# KiCad board cyclic.kicad_pcb (continued)
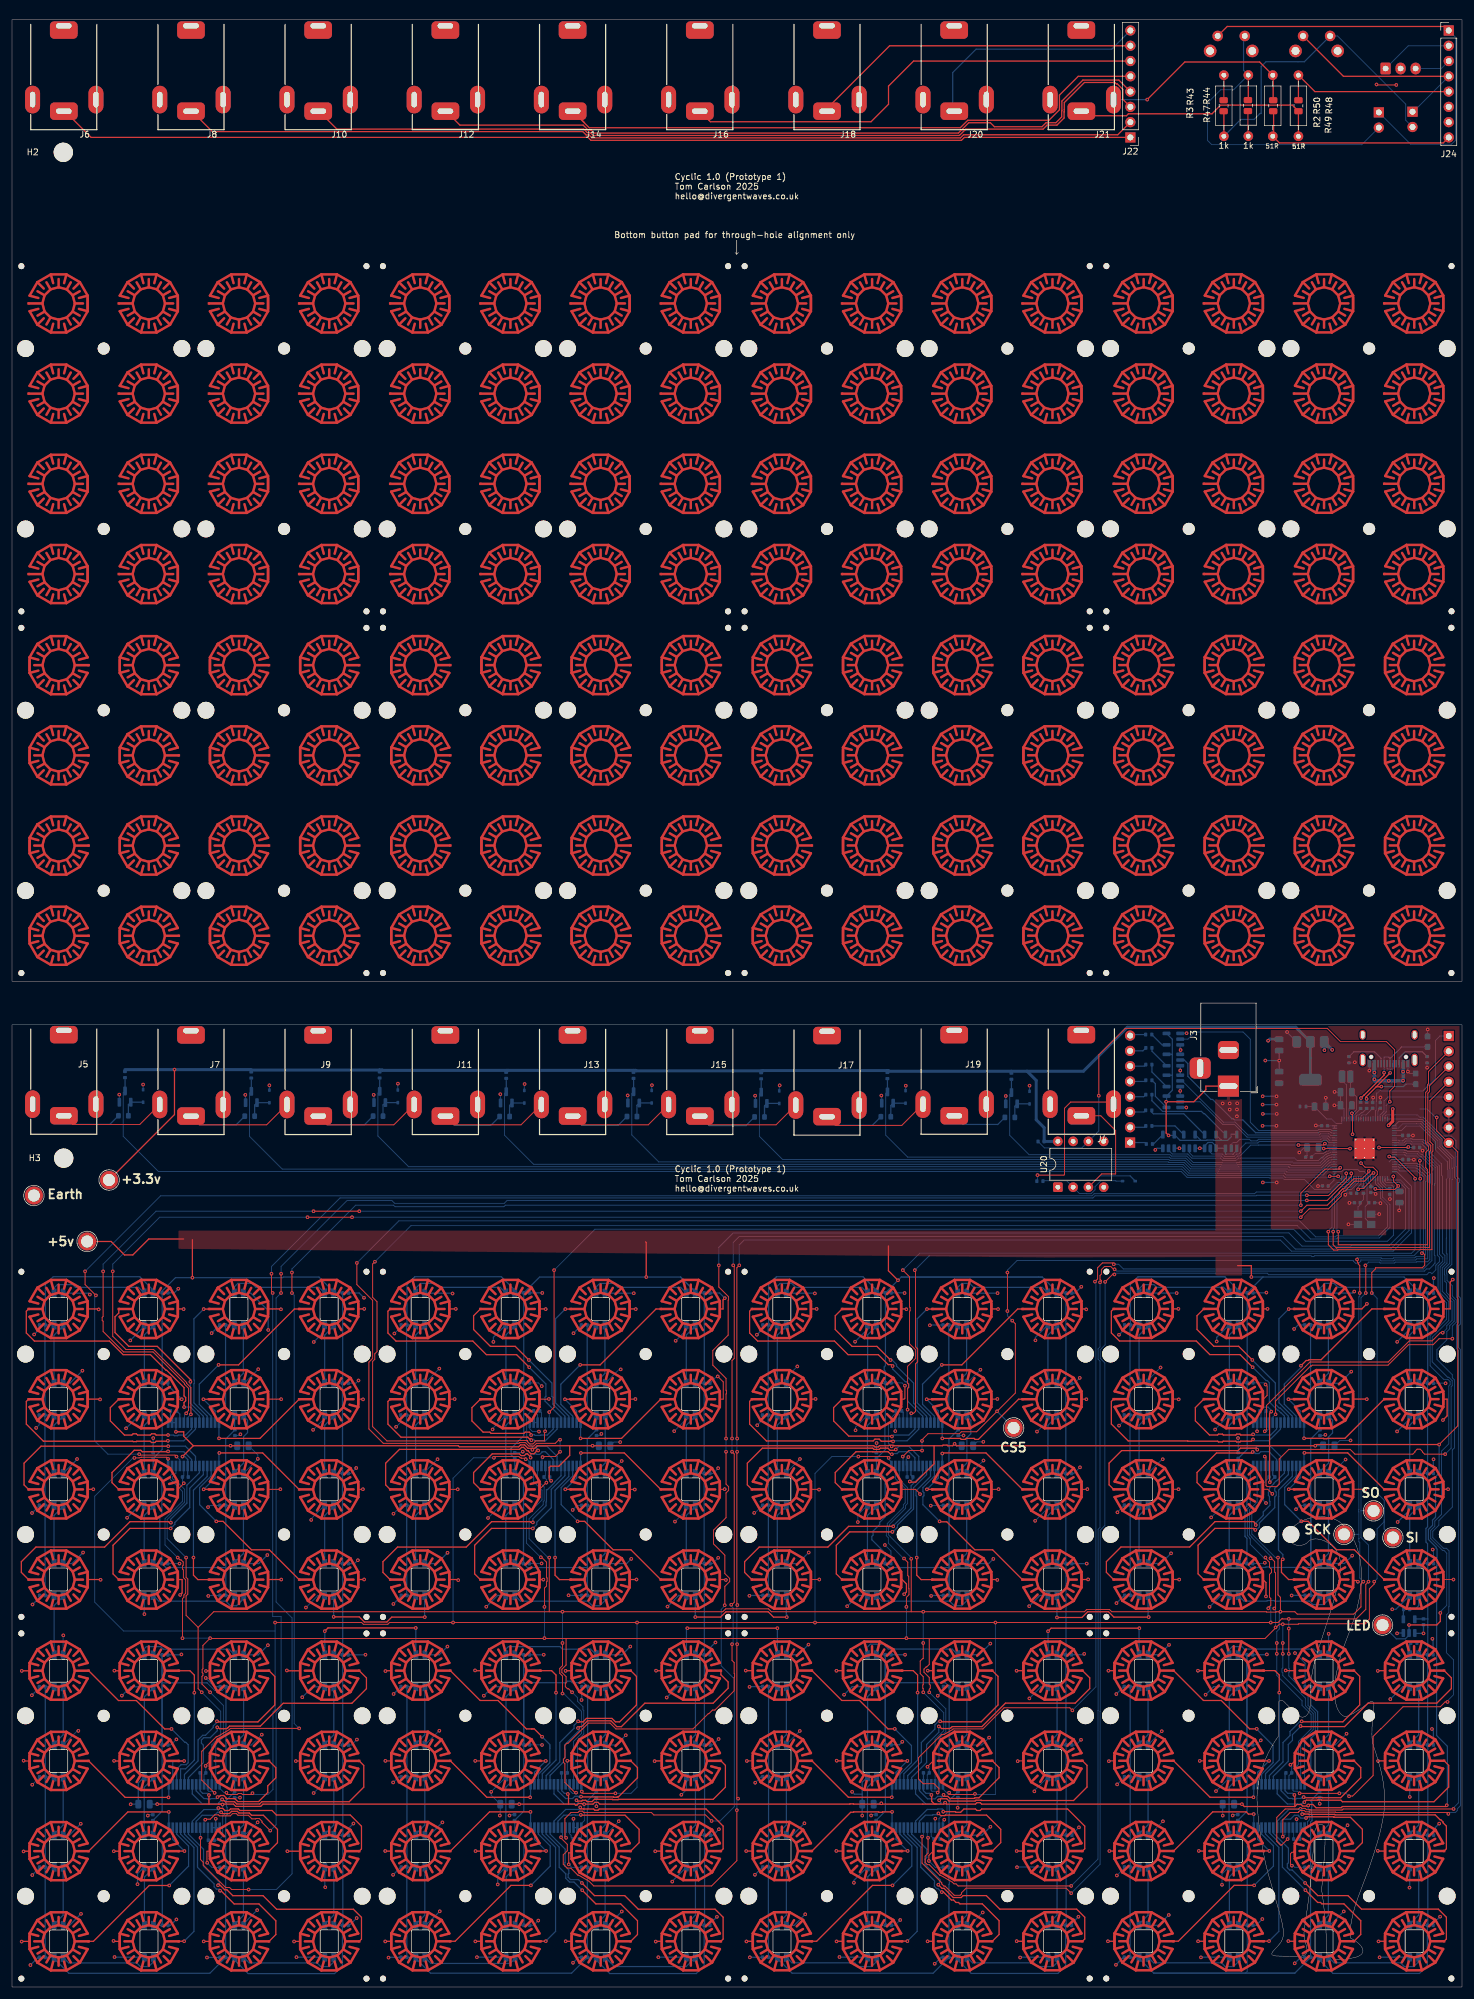
[diagram p0: board, top side]
## Routing (per net, layer and track width the routed paths; a pad name or vN(x,y) marks a point on that pad's centre or on a via; arc(x,y) is an arc through that point) (continued)
/button-grid/1x1: length 29.5
  Top w0.2: SW3.2 17.71,47.63 20.67,47.63 25.4,42.9 v1(26.52,42.9)
  Bottom w0.2: v1(26.52,42.9) 28.75,40.68 28.91,40.68 29.3,40.29 29.3,37.28 28.98,36.97 28.12,36.97 27.38,36.23 U4.3
/button-grid/1x2: length 18
  Top w0.2: v1(26.02,31.53) 18.81,31.53 SW3.10
  Bottom w0.2: U4.1 26.08,31.59 v1(26.02,31.53)
/button-grid/1x3: length 18.6
  Top w0.2: v1(26.07,29.1) 19.26,29.1 SW3.18
  Bottom w0.2: U4.28 26.08,29.09 v1(26.07,29.1)
/button-grid/1x4: length 29
  Top w0.2: v1(26.15,16.88) 22.82,16.88 13.53,7.59 SW3.26
  Bottom w0.2: v1(26.15,16.88) 29.36,20.09 29.36,23.44 27.38,25.41 U4.26
/button-grid/2x1: length 22.5
  Top w0.2: SW3.4 29.59,52.59 30.32,51.85 v1(30.32,48.93)
  Bottom w0.2: U4.4 28.03,36.28 28.88,36.28 30.32,37.73 v1(30.32,48.93)
/button-grid/2x2: length 6.7
  Top w0.2: v1(28.62,37.58) 27.76,37.58
  Bottom w0.2: U4.2 26.73,37.58 28.62,37.58 v1(28.62,37.58)
/button-grid/2x3: length 5.6
  Top w0.2: v1(28.67,22.6) 27.76,22.6
  Bottom w0.2: v1(28.67,22.6) 26.73,24.54 U4.27
/button-grid/2x4: length 21.3
  Top w0.2: v1(28.62,7.6) 27.76,7.6
  Bottom w0.2: U4.25 28.03,25.41 30.25,23.2 30.25,9.23 v1(28.62,7.6)
/button-grid/3x1: length 29.9
  Top w0.2: SW3.6 43.7,51.64 43.7,46.88 40.9,44.08 34.37,44.08 34.26,44.19 v1(34.08,44.19)
  Bottom w0.2: U4.5 28.68,35.33 30.95,37.6 30.95,41.09 31.71,41.85 32.17,41.85 33.47,43.16 33.47,43.4 34.08,44.01 v1(34.08,44.19)
/button-grid/3x2: length 21.2
  Top w0.2: v1(34.18,31.57) 34.21,31.61 34.27,31.61 34.36,31.7 34.52,31.7 34.67,31.84 35.21,31.84 35.59,31.46 35.59,31.33 37.05,31.33 37.55,30.83 41.01,30.83 42.53,32.34 42.53,33.43 43.87,34.78 43.87,36.46 SW3.14
  Bottom w0.2: U4.8 30.63,32.61 31.92,31.33 32.41,31.33 32.48,31.26 33.02,31.26 33.09,31.33 34.07,31.33 34.18,31.43 v1(34.18,31.57)
/button-grid/3x3: length 20.9
  Top w0.2: v1(34.77,29.05) 34.99,28.83 36.14,28.83 36.51,29.2 37.47,29.2 37.74,28.93 39.45,28.93 39.83,28.55 41.8,28.55 44.15,26.2 44.15,23.99 SW3.22
  Bottom w0.2: v1(34.77,29.05) 34.18,29.05 33.68,28.55 31.62,28.55 30.63,27.56 U4.21
/button-grid/3x4: length 28.4
  Top w0.2: SW3.30 43.87,8.71 43.87,11 41.07,13.8 36.95,13.8 34.74,16.01 v1(34.6,16.01)
  Bottom w0.2: v1(34.6,16.01) 34.6,16.15 34.48,16.27 33.99,16.27 33.61,16.65 33.61,17.14 30.85,19.9 30.85,23.25 28.68,25.41 U4.24
/button-grid/4x1: length 43.5
  Top w0.2: SW3.8 58.95,51.39 58.95,49.6 56.52,47.18 45.1,47.18 41.3,43.38 36.18,43.38 35.87,43.07 35.67,42.95 34.5,42.95 34.28,43.18 v1(34.12,43.18)
  Bottom w0.2: U4.6 29.33,34.81 31.82,37.3 31.82,40.21 31.5,40.53 31.5,41.07 31.88,41.45 32.97,41.45 34.12,42.61 v1(34.12,43.18)
/button-grid/4x2: length 37.5
  Top w0.2: v1(34.94,31.19) 34.94,31.08 34.95,31.06 34.95,31 34.96,31 35.28,31 35.47,30.8 37,30.8 37.38,30.43 41.18,30.43 41.56,30.8 56.07,30.8 58.5,33.23 58.5,36.84 SW3.16
  Bottom w0.2: U4.7 29.98,32.09 31.67,30.4 34.26,30.4 34.36,30.51 34.36,30.62 34.74,31 34.85,31 34.87,31.02 34.9,31.02 34.94,31.05 v1(34.94,31.19)
/button-grid/4x3: length 36.2
  Top w0.2: SW3.24 58.12,22.96 58.12,26.73 56.25,28.6 43.98,28.6 43.23,29.35 37.89,29.35 37.63,29.61 36.35,29.61 36.09,29.35 35.39,29.35 35.04,29.7 34.39,29.7 v1(34.32,29.77)
  Bottom w0.2: U4.22 29.98,27.56 31.92,29.5 34.26,29.5 34.31,29.45 34.32,29.45 34.39,29.52 34.39,29.64 34.35,29.68 34.35,29.74 v1(34.32,29.77)
/button-grid/4x4: length 42.2
  Top w0.2: SW3.32 58.12,7.96 58.12,11.58 56.78,12.92 44,12.92 41.75,15.18 36.72,15.18 35.73,16.17 35.36,16.17 34.44,17.09 v1(34.26,16.92)
  Bottom w0.2: v1(34.26,16.92) 34.51,17.17 34.51,17.39 31.85,20.05 31.85,22.9 29.33,25.41 U4.23
/button-grid/LED_DIN: length 10.3
  Bottom w0.2: 8.48,64.91 7,63.43 7,55.23
/button-grid/LED_DOUT: length 23.8
  Top w0.2: v1(67.15,59.7) 52.55,59.7 v1(52.02,59.17)
  Bottom w0.2: 67.15,55.24 67.15,59.7 v1(67.15,59.7) ; 52.02,55.22 v1(52.02,59.17)
/CC1: length 7
  Bottom w0.2: J1.A5 227.7,154.41 226.6,155.51 223.15,155.51 R1.1
/CC2: length 6.4
  Bottom w0.2: R4.1 234.55,155.51 231.7,155.51 230.7,154.51 J1.B5
/clock-and-trig1/TIP: length 28.2
  Top w0.15: J7.T 31.22,143.37 42.35,143.37 J9.TN
  Bottom w0.2: 29.69,144.81 31.14,143.36 37.26,143.36 R22.2
/clock-and-trig2/TIP: length 28.2
  Top w0.15: J9.T 52.38,143.37 63.5,143.37 J11.TN
  Bottom w0.2: R25.2 58.61,143.37 52.49,143.37 51.04,144.82
/clock-and-trig3/TIP: length 28.2
  Top w0.15: J11.T 73.53,143.37 84.66,143.37 J13.TN
  Bottom w0.2: R28.2 79.66,143.31 73.54,143.31 72.09,144.75
/clock-and-trig4/TIP: length 28.2
  Top w0.15: J15.TN 105.82,143.37 94.69,143.37 J13.T
  Bottom w0.2: R31.2 100.84,143.31 94.72,143.31 93.27,144.76
/clock-and-trig5/TIP: length 28.1
  Top w0.15: J17.TN 127.07,143.37 115.85,143.37 J15.T
  Bottom w0.2: R34.2 122.06,143.23 115.94,143.23 114.49,144.68
/clock-and-trig6/TIP: length 28.2
  Top w0.15: J17.T 137,143.27 147.98,143.27 J19.TN
  Bottom w0.2: 135.49,144.72 136.94,143.27 143.06,143.27 R37.2
/clock-and-trig7/TIP: length 9.5
  Bottom w0.2: R40.2 163.95,143.42 158.16,143.42 J19.T
/clock-and-trig/TIP: length 28.1
  Top w0.15: J5.T 10.06,143.42 21.24,143.42 J7.TN
  Bottom w0.2: R19.2 16.26,143.43 10.14,143.43 8.69,144.88
/EXT_CLOCK_0: length 217.3
  Bottom w0.15: U2.39 221.55,133.98 221.34,133.77 220.39,133.77 219.22,132.6 216.64,132.6 214.95,134.29 211.55,134.29 211.3,134.54 209.11,134.54 209.03,134.62 204.76,134.62 204.73,134.59 200.23,134.59 200.2,134.62 195.43,134.62 194.45,135.6 24.35,135.6 18.5,141.45 18.5,148.7 Q1.3
  Bottom w0.2: Q1.3 18.8,150.88
/EXT_CLOCK_1: length 194.2
  Top w0.15: v1(219.15,134.8) v1(220.55,134.8)
  Bottom w0.15: v1(219.15,134.8) 218.99,134.64 211.71,134.64 211.46,134.89 209.26,134.89 209.18,134.97 204.62,134.97 204.58,134.94 200.38,134.94 200.35,134.97 195.58,134.97 194.55,136 44.95,136 39.5,141.45 39.5,148.63 Q2.3 ; v1(220.55,134.8) 220.9,134.45 U2.40
  Bottom w0.2: Q2.3 39.8,150.81
/EXT_CLOCK_2: length 171.9
  Bottom w0.15: Q3.3 60.85,148.64 60.85,141.5 65.95,136.4 194.65,136.4 195.73,135.33 200.49,135.33 200.53,135.29 204.43,135.29 204.47,135.33 211.62,135.33 211.91,135.04 218.08,135.04 219.35,136.32 219.43,136.32 219.52,136.4 U2.43
  Bottom w0.2: Q3.3 61.15,150.82
/EXT_CLOCK_3: length 150.5
  Bottom w0.15: Q4.3 81.9,148.57 81.9,141.65 86.75,136.8 192.19,136.8 192.24,136.75 194.8,136.75 195.87,135.68 200.64,135.68 200.67,135.65 204.29,135.65 204.32,135.68 211.87,135.68 212.06,135.49 218.02,135.49 219.2,136.67 219.29,136.67 219.42,136.8 U2.44
  Bottom w0.2: Q4.3 82.2,150.76
/EXT_CLOCK_4: length 129.1
  Bottom w0.15: Q5.3 103.08,148.58 103.08,141.67 107.55,137.2 192.29,137.2 192.38,137.11 194.94,137.11 196.02,136.03 200.78,136.03 200.82,136 204.14,136 204.18,136.03 212.12,136.03 212.31,135.84 217.87,135.84 219.05,137.02 219.14,137.02 219.32,137.2 U2.45
  Bottom w0.2: Q5.3 103.38,150.76
/EXT_CLOCK_5: length 107.8
  Bottom w0.15: Q6.3 124.3,148.5 124.3,141.45 128.15,137.6 192.39,137.6 192.53,137.46 195.09,137.46 196.16,136.39 200.93,136.39 200.97,136.35 203.99,136.35 204.03,136.39 212.36,136.39 212.52,136.23 217.75,136.23 218.9,137.38 218.99,137.38 219.17,137.55 219.49,137.55 219.53,137.6 U2.46
  Bottom w0.2: Q6.3 124.6,150.69
/EXT_CLOCK_6: length 86.6
  Bottom w0.15: U2.47 219.43,138 219.34,137.91 219.03,137.91 218.85,137.73 218.76,137.73 218.34,137.32 217.63,136.6 212.75,136.6 212.61,136.74 203.88,136.74 203.85,136.7 201.11,136.7 201.08,136.74 196.31,136.74 195.24,137.81 192.68,137.81 192.49,138 148.95,138 145.3,141.65 145.3,148.54 Q7.3
  Bottom w0.2: Q7.3 145.6,150.72
/EXT_CLOCK_7: length 65.8
  Bottom w0.15: U2.48 219.33,138.4 219.19,138.26 218.88,138.26 218.7,138.08 218.61,138.08 218.2,137.67 218.2,137.67 217.53,137 213.15,137 212.95,137.2 204.23,137.2 204.12,137.09 203.74,137.09 203.7,137.06 201.26,137.06 201.22,137.09 196.46,137.09 195.38,138.17 192.82,138.17 192.59,138.4 169.15,138.4 165.92,141.63 165.92,148.43 Q8.3
  Bottom w0.2: Q8.3 166.22,150.61
/EXT_TRIG_0: length 29.7
  Bottom w0.15: U12.2 192.35,139.14 192.97,138.52 195.53,138.52 196.24,137.81 201,137.81 201.4,137.41 203.56,137.41 203.96,137.81 204.34,137.81 204.35,137.82 213.17,137.82 213.25,137.9 213.74,137.41 217.28,137.41 217.81,137.94 217.82,137.94 217.9,137.87 218.05,138.02 218.05,138.02 218.46,138.43 218.56,138.43 218.73,138.61 219.05,138.61 219.23,138.8 U2.49
/EXT_TRIG_0_BOT: length 2.8
  Bottom w0.2: J23.1 188.41,140.42 R20.2
/EXT_TRIG_0_TOP: length 179.8
  Top w0.2: J22.1 158.39,307.56 157.9,307.08 96.28,307.08 95.8,307.56 95.32,307.56 95.32,307.56 13.15,307.56 8.55,312.16
/EXT_TRIG_1: length 26.5
  Top w0.15: v1(213.95,140) 218.15,140 218.34,140.19 v1(218.34,140.24)
  Bottom w0.15: U2.52 218.55,140 218.38,140.17 218.38,140.21 v1(218.34,140.24) ; v1(213.95,140) 207.35,140 207.34,139.99 206.01,139.99 204.19,138.17 203.81,138.17 203.41,137.76 201.55,137.76 201.15,138.17 196.38,138.17 195.82,138.73 U13.2
/EXT_TRIG_1_BOT: length 2.7
  Bottom w0.2: R23.2 188.34,142.96 J23.2
/EXT_TRIG_1_TOP: length 159.3
  Top w0.2: 29.68,312.16 33.31,308.53 94.92,308.53 95.49,307.96 95.97,307.96 96.45,307.48 157.74,307.48 158.26,308 183.9,308 J22.2
/EXT_TRIG_2: length 23.3
  Bottom w0.15: U2.53 219.03,140.4 218.61,140.82 218.09,140.82 217.88,140.6 207.45,140.6 207.19,140.34 205.19,140.34 204.29,139.44 204.29,138.77 204.05,138.52 203.67,138.52 203.26,138.12 201.7,138.12 201.29,138.52 199.57,138.52 199.29,138.8 U14.2
/EXT_TRIG_2_BOT: length 2.7
  Bottom w0.2: J23.3 188.26,145.5 R26.2
/EXT_TRIG_2_TOP: length 144.7
  Top w0.2: 50.81,312.16 54.03,308.93 95.09,308.93 95.66,308.36 96.14,308.36 96.62,307.88 157.57,307.88 158.62,308.93 171.47,308.93 172.14,309.6 173.78,309.6 174.98,310.8 174.98,311.79 175.01,311.82 175.01,313.35 178.36,316.69 183.42,316.69 183.66,316.45 183.83,316.45 184.74,315.54 184.74,313.9 J22.3
/EXT_TRIG_3: length 18.7
  Bottom w0.15: U2.54 219.13,140.8 218.75,141.17 217.95,141.17 217.73,140.96 207.31,140.96 207.04,140.69 206.06,140.69 205.79,140.96 204.21,140.96 203.65,140.4 203.04,140.4 202.76,140.12 U15.2
/EXT_TRIG_3_BOT: length 2.7
  Bottom w0.2: J23.4 188.22,148.04 R29.2
/EXT_TRIG_3_TOP: length 122.2
  Top w0.2: J22.4 184.08,317.1 178.11,317.1 174.61,313.6 174.61,311.99 174.57,311.96 174.57,310.96 173.61,310 171.97,310 171.3,309.34 163.38,309.34 162.72,310 159.12,310 157.4,308.29 96.78,308.29 96.3,308.77 95.82,308.77 94.99,309.6 74.5,309.6 71.94,312.16
/EXT_TRIG_4: length 28.4
  Bottom w0.15: U16.2 197.58,147.2 201.34,143.45 203.28,143.45 205.41,141.31 217.59,141.31 217.8,141.53 218.9,141.53 219.23,141.2 U2.55
/EXT_TRIG_4_BOT: length 2.7
  Bottom w0.2: J23.5 188.36,150.58 R32.2
/EXT_TRIG_4_TOP: length 101.9
  Top w0.2: 93.07,312.16 95.22,310 ; J14.T 95.99,309.17 157.71,309.17 158.95,310.41 172.45,310.41 174.2,312.16 174.2,314.59 177.33,317.72 J22.5
/EXT_TRIG_5: length 29.6
  Bottom w0.15: U2.56 219.33,141.6 219.05,141.88 217.65,141.88 217.44,141.67 205.56,141.67 203.42,143.8 201.48,143.8 194.61,150.67 U17.2
/EXT_TRIG_5_BOT: length 2.7
  Bottom w0.2: J23.6 188.3,153.12 R35.2
/EXT_TRIG_5_TOP: length 80.8
  Top w0.2: 114.19,312.16 115.95,310.41 ; J16.T 116.15,310.17 142.87,310.17 145.78,313.08 145.78,316.09 149.94,320.26 J22.6
/EXT_TRIG_6: length 32.2
  Bottom w0.15: U2.57 219.53,142 219.49,142.05 219.38,142.05 219.19,142.24 217.51,142.24 217.32,142.05 217.25,142.05 217.23,142.02 217.22,142.02
  Bottom w0.2: 217.25,142.05 206.83,142.05 204.71,144.18 203.31,144.18 203.11,144.38 202.88,144.38 199.68,147.58 199.4,147.58 195.55,151.43 195.55,153.54 194.95,154.14 U18.2
/EXT_TRIG_6_BOT: length 2.8
  Bottom w0.2: R38.2 188.08,155.66 J23.7
/EXT_TRIG_6_TOP: length 55.1
  Top w0.2: 135.32,312.16 145.96,322.8 J22.7
/EXT_TRIG_7: length 41.2
  Bottom w0.15: U2.58 219.53,142.4 219.34,142.59 217.33,142.59 217.17,142.43 207.32,142.43 205.95,143.8 205.95,157.6 204.75,158.8 196.75,158.8 195.56,157.61 U19.2
/EXT_TRIG_7_BOT: length 2.2
  Bottom w0.2: 186.33,158.38 R41.2
/EXT_TRIG_7_TOP: length 38.6
  Bottom w0.2: J22.8 182.9,322.24 160.35,322.24 156.45,318.34 156.45,312.16
/GPIO0: length 14.3
  Bottom w0.15: J25.5 233.47,147.98 233.45,148 228.85,148 228.2,147.35 228.2,145.66 227.55,145.02 U2.77
/GPIO1: length 89.2
  Top w0.15: v1(229.15,147.2) 229.15,149 229.95,149.8 229.95,155.84 228.59,157.2 220.95,157.2 218.75,159.4 185.15,159.4 180.75,155 v1(180.75,148.2)
  Bottom w0.15: v1(229.15,147.2) 228.55,146.6 228.55,145.52 227.95,144.92 U2.78 ; v1(180.75,148.2) 180.75,142.34 U20.6 177.94,139.54 171.7,139.54 R46.1
/GPIO2: length 161.1
  Top w0.15: v1(211.35,25) 211.35,27.8 212.55,29 213.94,29 213.94,29.04 214,29.1 214,29.13 214.29,29.42 214.36,29.35 214.92,29.35 215.15,29.13 215.73,29.13 215.78,29.08 220.12,29.08 220.2,29 238.71,29 238.88,28.83 v1(238.88,28.79)
  Bottom w0.15: v1(211.35,25) 211.72,25.37 U7.20 ; U2.79 228.35,144.82 228.56,145.03 233.72,145.03 234.14,144.61 234.74,144.61 237.86,141.49 239.42,141.49 240.15,140.76 240.15,138.07 240.16,138.05 240.16,136.49 240.24,136.41 240.24,134.81 240.7,134.35 240.7,133.85 240.59,133.74 240.59,114.86 240.92,114.53 240.92,110.27 240.59,109.94 240.59,106.31 240.9,106 240.9,30.15 240.38,29.62 240.38,29.34 240.03,29 239.09,29 v1(238.88,28.79)
/GPIO3: length 162.4
  Top w0.15: v1(239.75,29.6) 221.38,29.6 221.21,29.43 215.93,29.43 215.85,29.51 215.81,29.48 215.3,29.48 215.07,29.7 214.5,29.7 214.36,29.85 214.22,29.85 213.97,29.6 211.75,29.6 210.35,28.2 210.35,24.2 210.95,23.6 211.15,23.6 v1(212.15,24.6)
  Bottom w0.15: v1(212.15,24.6) 212.37,24.82 U7.19 ; v1(239.75,29.6) 239.75,29.8 240.55,30.6 240.55,105.85 240.24,106.16 240.24,110.09 240.56,110.41 240.56,114.39 240.24,114.71 240.24,134.31 239.89,134.66 239.89,136.27 239.81,136.34 239.81,137.9 238.49,139.23 238.48,139.23 237.82,139.89 237.82,140.83 237.82,140.83 237.82,141.03 234.59,144.26 233.89,144.26 233.8,144.35 U2.80
/GPIO4: length 81.9
  Top w0.15: v1(210.15,95.23) 210.15,97.44 215.96,103.25 216.1,103.25 216.25,103.4 228.85,103.4 232.25,106.8 236.35,106.8 237.35,107.8 v1(239.55,107.8)
  Bottom w0.15: v1(239.55,107.8) 239.55,109.9 240.21,110.56 240.21,114.24 239.55,114.9 239.55,116.6 238.66,117.49 238.66,118.53 238.58,118.61 238.58,119.29 239.46,120.17 239.46,134.23 239.53,134.31 239.53,136.12 239.46,136.2 239.46,137.76 238.34,138.88 238.34,138.88 237.47,139.75 237.47,140.88 234.44,143.91 230.61,143.91 U2.1 ; v1(210.15,95.23) 209.67,94.75 U8.20
/GPIO5: length 147.9
  Top w0.15: v1(238.75,47.4) 238.35,47.4 237.55,46.6 231.35,46.6 227.67,42.92 227.62,42.92 226.37,41.67 226.37,35.16 222.96,31.75 222.41,31.75 v1(222.37,31.71) ; v1(220.75,32.2) v1(214.15,32.2)
  Bottom w0.15: U2.2 230.55,142.8 231.3,143.55 233.6,143.55 233.6,143.55 234.3,143.55 237.11,140.73 237.11,139.6 239.1,137.61 239.1,136.05 239.18,135.97 239.18,134.46 239.1,134.38 239.1,120.31 238.23,119.44 238.23,118.46 238.31,118.38 238.31,117.34 238.58,117.07 238.58,115.47 239.1,114.95 239.1,114.85 239.86,114.09 239.86,110.71 239.1,109.95 239.1,109.45 238.62,108.97 238.62,107.6 236.98,105.96 236.98,104.37 239.55,101.8 239.55,101.29 239.9,100.94 239.9,89.65 239.55,89.3 239.55,79.8 237.3,77.55 237.3,76.78 236.3,75.78 236.3,74.72 238.07,72.95 238.57,72.95 239,72.52 239,63.25 238.95,63.2 238.95,62.26 238.56,61.87 238.56,55.59 239.75,54.4 239.75,48.6 238.75,47.6 v1(238.75,47.4) ; v1(214.15,32.2) 213.8,32.55 213.17,32.55 213.02,32.7 U7.11 ; v1(220.75,32.2) 220.83,32.28 221.8,32.28 v1(222.37,31.71)
/GPIO6: length 84.4
  Top w0.15: v1(237.95,108.8) 237.55,108.8 236.19,107.44 232.39,107.44 228.87,103.92 215.87,103.92 208.64,96.69 208.64,92.69 v1(208.35,92.4)
  Bottom w0.15: 236.76,139.45 236.76,140.59 ; 236.76,139.45 236.76,139.45 236.76,139.19 238.75,137.2 238.75,135.91 238.83,135.83 238.83,134.6 238.55,134.32 238.55,127.3 238.56,127.29 238.56,124.51 238.55,124.5 238.55,122 238.66,121.89 238.66,120.36 237.88,119.58 237.88,115.67 238.62,114.93 ; 236.76,139.45 236.76,140.59 ; 236.76,140.59 234.2,143.14 231.8,143.14 231.06,142.4 U2.3 ; v1(208.35,92.4) 208.6,92.4 209.03,92.82 U8.19 ; v1(237.95,108.8) 238.62,109.47 238.62,109.97 239.5,110.85 239.5,113.95 238.7,114.75 238.7,114.85 238.62,114.93
/GPIO9: length 105.5
  Top w0.15: v1(238.35,88.6) 234.93,88.6 234.58,88.96 234.58,89.06 234.21,89.42 233.69,89.42 233.33,89.06 233.33,88.96 232.97,88.6 223.35,88.6 222.55,89.4 212.35,89.4 210.75,87.8 210.75,83.6 210.35,83.2 208.75,83.2 208.55,83.4 208.55,88 v1(208.35,88.2)
  Bottom w0.15: v1(208.35,88.2) 208.38,88.17 U8.11 ; v1(238.35,88.6) 239.35,89.6 239.35,99.83 239.53,100 239.53,100.82 238.96,101.39 238.76,101.39 236.2,103.95 236.2,108.05 238.95,110.8 238.95,114 237.52,115.43 237.52,119.73 238.3,120.51 238.3,121.65 237.9,122.05 237.9,134.85 237.76,134.98 237.76,136.85 235.93,138.68 235.93,139.78 235.03,140.68 234.96,140.68 234.74,140.9 232.95,140.9 232.82,141.02 232.71,141.02 232.67,141.06 232.6,141.06 232.55,141.01 231.91,141.01 231.86,141.06 231.68,141.06 231.33,140.71 230.7,140.71 230.61,140.8 U2.7
/GPIO10: length 105.6
  Top w0.2: v1(237.55,62.2) 237.55,60.8 236.95,60.2 v1(232.35,60.2)
  Bottom w0.15: U2.8 230.51,140.4 230.55,140.36 231.47,140.36 231.77,140.66 232.69,140.66 232.8,140.54 234.6,140.54 234.82,140.33 234.89,140.33 235.58,139.64 235.58,138.37 237.41,136.54 237.41,121.84 237.95,121.3 ; 237.95,121.3 237.95,120.66 237.17,119.88 237.17,115.18 238.57,113.78 238.57,111.02 235.85,108.3 235.85,103.3 238.11,101.03 238.81,101.03 239.17,100.67 239.17,100.15 238.95,99.93 238.95,90.3 237.75,89.1 237.75,78.6 236.63,77.48 236.63,76.61 235.94,75.92 235.94,74.58 237.93,72.59 238.16,72.59 238.61,72.14 238.61,63.46 237.55,62.4 v1(237.55,62.2)
  Bottom w0.2: v1(232.35,60.2) U3.2 232.35,58.5 231.74,57.9 230.22,57.9 TP1.1
/GPIO11: length 222.2
  Top w0.15: v1(183.34,118.49) 183.27,118.56 183.11,118.56 v1(181.8,117.25) ; v1(151.35,25) 151.35,20.6 154.63,17.32 154.63,17.14 154.99,16.77 155.17,16.77 156.7,15.25 157.7,15.25 157.9,15.45 157.9,15.65 158.68,16.43 175.32,16.43 v1(176.15,15.6)
  Bottom w0.15: v1(151.35,25) 151.57,25.22 U6.20 ; v1(183.34,118.49) 183.55,118.69 208.76,118.69 209,118.45 235.3,118.45 235.65,118.8 235.95,118.8 236.15,118.6 236.8,119.25 236.8,120.01 237.4,120.61 237.4,121.35 237.06,121.69 237.06,136.39 235.22,138.22 235.22,139.42 234.45,140.19 232.83,140.19 232.74,140.1 232.54,140.3 231.92,140.3 231.62,140 U2.9 ; v1(176.15,15.6) 180.96,20.41 180.96,45.82 180.98,45.85 180.98,75.96 181.75,76.73 181.75,103.77 180.98,104.54 180.98,105.96 181.8,106.78 v1(181.8,117.25)
/GPIO12: length 217.4
  Top w0.15: v1(152.35,24.8) 152.35,22.24 151.86,21.75 151.86,20.7 152.23,20.33 152.56,20.33 154.3,18.59 154.37,18.59 156.39,17.42 156.66,17.15 157,17.15 157.35,16.8 v1(176.15,16.8) ; v1(183.38,119.34) 183.21,119.34 182.74,119.8 181.69,119.8 181.17,119.28 181.17,118.54 180.95,118.32 180.95,117.68 181.17,117.46 181.17,117.4 v1(180.95,117.18)
  Bottom w0.15: v1(176.15,16.8) 180.61,21.26 180.61,45.97 180.63,45.99 180.63,76.11 180.95,76.43 180.95,104.07 180.63,104.39 180.63,106.11 180.95,106.43 v1(180.95,117.18) ; U2.11 231.55,139.2 231.64,139.11 231.92,139.11 232.12,138.91 233.88,138.91 234.34,138.44 234.5,138.44 236.7,136.25 236.7,133.65 236.59,133.54 236.59,133.41 236.55,133.37 236.55,121.7 236.66,121.59 236.66,120.37 236.44,120.15 236.44,120.09 235.75,119.4 235.25,119.4 234.9,119.04 183.74,119.04 183.44,119.34 v1(183.38,119.34) ; v1(152.35,24.8) 152.22,24.93 U6.19
/GPIO13: length 195.1
  Top w0.15: v1(180.11,117.29) 180.55,117.73 180.55,119.6 181.35,120.4 183.1,120.4 183.25,120.25 v1(183.25,120.17) ; v1(176.35,46) 175.92,46.43 164.99,46.43 161.47,42.91 156.52,42.91 156.39,42.79 155.03,42 154.63,42 150.75,38.12 150.75,34.6 151.55,33.8 153.35,33.8 154.15,33 154.15,32.53 v1(153.95,32.33)
  Bottom w0.15: v1(180.11,117.29) 180.27,117.13 180.27,49.92 v1(176.35,46) ; v1(183.25,120.17) 184.06,120.17 184.83,119.4 234.75,119.4 236.15,120.8 236.15,133.47 236.24,133.56 236.24,135.24 236.15,135.33 236.15,135.7 236.3,135.85 236.3,136.15 234.36,138.09 234.19,138.09 233.73,138.55 231.97,138.55 231.77,138.75 231.5,138.75 231.45,138.8 U2.12 ; v1(153.95,32.33) 153.73,32.55 153,32.55 152.87,32.68 U6.11
/GPIO14: length 131.5
  Top w0.15: v1(234.15,137.4) 234.15,134.45 v1(234.2,134.4) ; v1(149.55,95.4) 149.95,95.4 150.27,95.72 150.27,103.62 150.62,103.97 150.62,106.1 150.27,106.45 150.27,119.08 v1(150.15,119.2)
  Bottom w0.15: v1(234.15,137.4) 234.15,137.74 234.05,137.74 233.59,138.2 231.83,138.2 231.63,138.4 U2.13 ; v1(149.55,95.4) 149.51,95.36 U9.20 ; v1(234.2,134.4) 234.2,122.65 233.15,121.6 216.65,121.6 216.5,121.45 216.2,121.45 216.05,121.6 152.55,121.6 v1(150.15,119.2)
/GPIO15: length 132.3
  Top w0.15: v1(148.15,119.2) 149.26,118.09 149.26,113.07 149.36,112.96 149.36,112.44 149.26,112.33 149.26,106.97 150.27,105.95 150.27,104.52 148.95,103.21 148.95,100.42 149.13,100.25 149.13,99.73 148.95,99.56 v1(148.95,96) ; v1(229.05,138.09) 229.14,138 229.95,138 233.35,134.6 v1(233.35,134.4)
  Bottom w0.15: U9.19 148.86,95.91 v1(148.95,96) ; v1(229.05,138.09) 229.14,138 U2.14 ; v1(148.15,119.2) 150.95,122 232.75,122 233.35,122.6 v1(233.35,134.4)
/GPIO16: length 593.8
  Top w0.15: v1(160.15,32.11) 160.04,32 155.86,32 155.79,32.07 155.79,32.2 155.85,32.26 v1(155.85,32.31) ; v1(225.15,115.4) 225.15,119.93 v1(225.09,119.99) ; v1(35.66,32.31) 35.66,32.09 35.75,32 37.46,32 37.64,32.18 38.15,32.18 38.33,32 39.94,32 40.02,32.07 40.02,32.15 39.99,32.17 v1(39.99,32.23) ; v1(43.75,60.6) 58.15,60.6 58.44,60.31 62.5,60.31 62.78,60.6 v1(73.35,60.6) v1(103.95,60.6) v1(133.55,60.6) v1(163.55,60.6) 210.55,60.6 211.25,61.3 211.35,61.2 223.55,61.2 225.15,62.8 225.15,66.95 v1(225.6,67.4) ; v1(208.93,62.96) 208.93,63.07 208.97,63.1 208.97,63.12 209.06,63.22 209.09,63.22 209.35,63.48 209.35,64.6 209.15,64.8 209.15,68.61 209.47,68.94 209.47,69.46 209.15,69.79 209.15,70.62 208.47,71.3 v1(208.47,71.41) ; v1(94.76,32.49) 94.76,32.39 94.95,32.2 v1(100.35,32.2) ; v1(20.35,87.98) 20.36,87.98 21.14,87.98 21.52,88.08 21.52,88.09 25.68,88.09 v1(25.95,87.82) ; v1(145.8,87.97) 145.8,88.09 145.69,88.2 v1(140.75,88.2) ; v1(212.35,55.4) v1(212.35,59.6) ; v1(80.15,88) 80.15,88.2 84.31,88.2 84.52,87.99 84.67,87.99 84.74,87.92 85.39,87.92 85.44,87.87 v1(85.44,87.76)
  Bottom w0.15: v1(133.55,60.6) 133.55,85.4 136.35,88.2 v1(140.75,88.2) ; U5.14 94.69,32.57 v1(94.76,32.49) ; 34.53,33.04 35.26,32.31 v1(35.66,32.31) ; 154.82,32.93 155.67,32.08 155.73,32.08 155.82,32.16 155.82,32.28 v1(155.85,32.31) ; v1(225.09,119.99) 225.64,120.54 227.41,120.54 227.56,120.39 229.94,120.39 230.09,120.54 233.59,120.54 233.65,120.6 235.45,120.6 235.8,120.95 235.8,133.61 235.88,133.7 235.88,135.1 235.8,135.19 235.8,135.25 234.28,136.77 233.89,136.77 233.75,136.92 231.07,136.92 230.79,137.2 U2.16 ; v1(100.35,32.2) 102.95,32.2 103.95,33.2 v1(103.95,60.6) ; v1(20.35,87.98) 20.12,87.98 13.75,81.6 13.75,64 18.55,59.2 43.75,59.2 ; 43.75,59.2 43.75,46.1 43.4,45.75 43.4,32.85 42.55,32 40.22,32 v1(39.99,32.23) ; 43.75,59.2 v1(43.75,60.6) ; v1(80.15,88) 76.75,88 73.35,84.6 v1(73.35,60.6) ; v1(212.35,59.6) v1(212.35,61.2) ; v1(25.95,87.82) 25.97,87.8 U11.14 ; 146.26,87.29 145.85,87.7 145.85,87.92 v1(145.8,87.97) ; 86.1,87.29 85.67,87.73 85.58,87.73 85.53,87.78 85.46,87.78 v1(85.44,87.76) ; v1(225.15,115.4) 224.35,114.6 224.35,74.73 225.6,73.48 v1(225.6,67.4) ; v1(208.93,62.96) 209.15,63.17 209.34,63.17 209.35,63.16 v1(209.35,60.6) ; v1(160.15,32.11) 160.26,32 163.55,32 v1(163.55,60.6) ; v1(208.47,71.41) 208.47,71.32 208.35,71.2 205.94,73.61 205.94,74.51 205.84,74.61 205.84,74.68 205.49,75.03 205.49,75.06 205.44,75.11 205.44,79.49 205.94,79.99 205.94,86.17 U8.14 ; U7.14 214.97,40.84 216.76,42.63 216.76,45.61 215.55,46.82 215.55,48.54 212.35,51.74 212.35,52.28 212.46,52.38 212.46,52.9 212.35,53 v1(212.35,55.4)
  Bottom w0.2: 224.35,79.2 226.41,79.2 TP2.1
/GPIO17: length 142.3
  Top w0.15: v1(165.55,118.8) v1(165.55,112.4) ; v1(151.35,89.2) 149.15,89.2 v1(148.15,88.2) ; v1(166.35,110.8) 166.87,110.28 166.87,98.77 160.43,92.32 157.89,92.32 157.57,92 152.35,92 151.35,91 v1(151.35,90.8)
  Bottom w0.15: U9.11 148.21,88.14 v1(148.15,88.2) ; v1(165.55,112.4) 165.55,111.6 v1(166.35,110.8) ; U2.17 230.69,136.8 230.93,136.57 233.6,136.57 233.74,136.42 234.13,136.42 235.44,135.11 235.44,135.04 235.53,134.95 235.53,133.85 235.44,133.76 235.44,121.09 233.64,121.09 233.44,120.89 229.94,120.89 229.79,120.74 227.71,120.74 227.56,120.89 224.33,120.89 224.33,120.72 223.96,120.35 223.44,120.35 223.08,120.72 223.08,120.8 167.15,120.8 165.55,119.2 v1(165.55,118.8) ; v1(151.35,90.8) v1(151.35,89.2)
  Bottom w0.2: TP5.1 v1(163.82,95.73)
/GPIO18: length 524.5
  Top w0.15: 89.35,62.4 v1(91.55,62.4) 118.21,62.4 118.69,62.88 125.81,62.88 126.28,62.4 149.55,62.4 ; 89.35,62.4 33.55,62.4 30.95,59.8 ; 89.35,62.4 v1(89.35,71.4) ; v1(210.35,55.4) v1(210.35,57.2) ; v1(91.55,48.8) 91.55,51.71 91.09,52.16 91.09,52.98 91.55,53.43 v1(91.55,57.2) ; 30.95,59.8 28.95,61.8 28.95,65.04 29.23,65.32 29.23,67.84 28.95,68.12 v1(28.95,71.4) ; 30.95,59.8 30.95,49.6 v1(31.55,49) ; v1(223.7,120.98) 223.79,120.89 223.79,120.52 223.9,120.41 223.9,120.22 224.15,119.96 v1(224.15,115.4) ; v1(151.55,57.2) 151.55,54.6 151.45,54.6 151.05,54.2 151.05,52.1 151.55,51.6 151.55,50.28 151.47,50.2 151.47,49.69 151.55,49.61 v1(151.55,49) ; 149.55,62.4 178.36,62.4 178.74,62.78 182.52,62.78 182.9,62.4 208.61,62.4 208.67,62.33 210.21,62.33 210.27,62.4 v1(210.95,62.4) ; 149.55,62.4 v1(149.55,71.2) ; v1(224.75,67.4) 224.35,67 224.35,63.2 223.15,62 213.75,62 213.35,62.4 v1(210.95,62.4) ; v1(210.95,62.4) 210.95,64.8 210.55,65.2 v1(210.55,71.4)
  Bottom w0.15: U4.12 33.23,40.28 34.7,41.75 34.7,45.85 v1(31.55,49) ; 27.27,86.64 27.27,85.45 26.67,84.86 26.67,84.54 26.89,84.32 27.13,84.32 28.7,82.75 28.7,80.62 25.8,77.72 25.8,74.55 v1(28.95,71.4) ; v1(91.55,48.8) 91.75,48.8 94.73,45.82 94.73,42.18 93.39,40.83 U5.12 ; TP3.1 223.86,75.27 223.88,75.25 224,75.25 ; v1(210.55,71.4) 210.12,71.4 206.2,75.32 206.2,79.25 207.72,80.77 U8.12 ; 224,75.25 224,74.59 224.02,74.57 224,74.55 224,74.05 224.15,73.9 224.15,68 v1(224.75,67.4) ; 224,75.25 224,79.02 223.97,79.04 223.97,79.36 224,79.38 224,114.75 224.15,114.9 v1(224.15,115.4) ; v1(210.35,57.2) 210.35,59.12 210.78,59.54 210.78,60.01 210.72,60.06 210.72,60.58 210.78,60.63 210.78,62.23 v1(210.95,62.4) ; U7.12 213.67,36.72 213.95,37 213.95,40.82 216.06,42.92 216.06,45.32 214.55,46.82 214.55,47.6 210.35,51.8 v1(210.35,55.4) ; v1(91.55,57.2) v1(91.55,62.4) ; U2.18 230.59,136.4 230.78,136.21 233.45,136.21 233.6,136.07 233.78,136.07 234.47,135.38 234.61,135.38 235.18,134.81 235.18,133.99 235.09,133.91 235.09,121.76 234.77,121.44 233.49,121.44 233.3,121.25 229.8,121.25 229.64,121.09 227.86,121.09 227.7,121.25 223.77,121.25 223.7,121.18 v1(223.7,120.98) ; v1(151.55,57.2) v1(151.55,62.4) ; v1(151.55,49) 154.95,45.6 154.95,42.6 153.52,41.17 U6.12 ; U10.12 87.41,84.24 88.5,83.15 88.5,80.85 88.35,80.7 88.35,80.2 86,77.85 86,74.55 89.15,71.4 v1(89.35,71.4) ; v1(149.55,71.2) 149.55,71.4 145.77,75.18 145.77,76.42 145.93,76.58 145.93,76.93 148.6,79.59 148.6,80.05 148.95,80.4 148.95,83 147.56,84.39 U9.12
/GPIO19: length 528.8
  Top w0.15: v1(211.35,55.4) v1(211.35,57.2) ; v1(226.55,67.4) 226.55,67 225.75,66.2 225.75,61.2 225.15,60.6 225.15,60.4 213.99,60.4 213.91,60.32 v1(211.35,60.32) 210.77,60.32 208.39,57.94 152.55,57.94 ; v1(234.49,122.02) 234.7,122.02 234.95,121.77 234.95,120 234.55,119.6 226.75,119.6 226.75,119.4 226.15,118.8 v1(226.15,115.4) ; v1(148.75,63.2) 148.75,64.8 149.18,65.22 149.18,66.21 149.14,66.25 149.14,68.25 148.97,68.41 148.97,70.63 v1(148.35,71.25) ; 92.15,57.94 92.15,53.53 91.45,52.83 91.45,52.31 92.15,51.61 92.15,50.58 92.03,50.46 92.03,49.94 92.39,49.57 92.58,49.57 v1(93.15,49) ; 92.15,57.94 32.89,57.94 31.75,56.8 31.75,52.92 31.62,52.8 31.62,52.28 31.75,52.16 31.75,51.81 31.59,51.65 31.59,50.36 v1(32.95,49) ; 92.15,57.94 152.55,57.94 ; v1(27.55,71.4) 27.93,71.02 28.11,71.02 28.47,70.66 28.47,70.14 28.35,70.02 28.35,69.49 28.5,69.34 28.5,68.07 28.88,67.7 28.88,65.46 28.59,65.17 28.59,64.82 28.35,64.59 v1(28.35,58) ; v1(87.95,71.45) 88.08,71.45 88.9,70.63 88.9,68.09 89,68 89,67.48 88.9,67.39 88.9,66.68 88.55,66.32 v1(88.55,63.2) ; 152.55,57.94 152.55,53.63 152.14,53.23 152.04,53.23 151.67,52.86 151.67,52.34 152.55,51.47 152.55,50.37 152.72,50.2 152.72,49.69 152.55,49.52 v1(152.55,49) ; v1(209.93,62.94) 210.09,62.94 210.15,63 210.15,68.84 209.99,69 209.99,70.73 209.43,71.29 v1(209.31,71.29)
  Bottom w0.15: U7.13 214.32,40.69 216.41,42.78 216.41,45.46 215.1,46.77 215.1,48.05 211.35,51.8 211.35,52.24 211.21,52.38 211.21,52.9 211.35,53.04 v1(211.35,55.4) ; U2.19 230.49,136 230.8,135.69 233.66,135.69 234.33,135.02 234.46,135.02 234.83,134.66 234.83,134.14 234.74,134.05 234.74,122.27 v1(234.49,122.02) ; v1(27.55,71.4) 25.45,73.5 25.45,77.86 28.35,80.77 28.35,82.4 26.78,83.97 26.75,83.97 26.32,84.4 26.32,85 26.62,85.3 U11.13 ; v1(148.75,63.2) v1(148.75,58) ; U10.13 86.76,84 88.15,82.6 88.15,81 85.55,78.4 85.55,73.8 87.9,71.45 v1(87.95,71.45) ; v1(211.35,57.2) v1(211.35,60.32) ; v1(28.35,58) v1(32.95,58) ; v1(148.35,71.25) 148.3,71.25 145.75,73.8 145.75,74.7 145.42,75.03 145.42,76.56 145.58,76.73 145.58,77.08 148.24,79.74 148.24,80.19 148.55,80.5 148.55,82.9 146.91,84.54 U9.13 ; v1(152.55,49) 155.3,46.25 155.3,42.45 154.17,41.32 U6.13 ; v1(210.15,59.8) 210.15,62.92 210.13,62.94 v1(209.93,62.94) ; U5.13 94.03,40.99 95.08,42.03 95.08,45.97 94.95,46.1 94.95,46.63 94.04,47.53 94.04,48.11 v1(93.15,49) ; U8.13 207.08,80.62 205.8,79.35 205.8,75.25 205.84,75.21 205.84,75.18 206.2,74.82 206.2,74.75 209.36,71.59 209.36,71.34 v1(209.31,71.29) ; v1(88.55,63.2) v1(88.55,58) ; v1(32.95,49) 35.15,46.8 35.15,41.6 33.88,40.33 U4.13 ; v1(226.55,67.4) 227.04,67.89 227.04,76.2 228.22,77.38 228.22,80.94 227.04,82.12 227.04,114.51 v1(226.15,115.4)